# Altium PCB PCB1.PcbDoc (part 1 of 2) (continued)
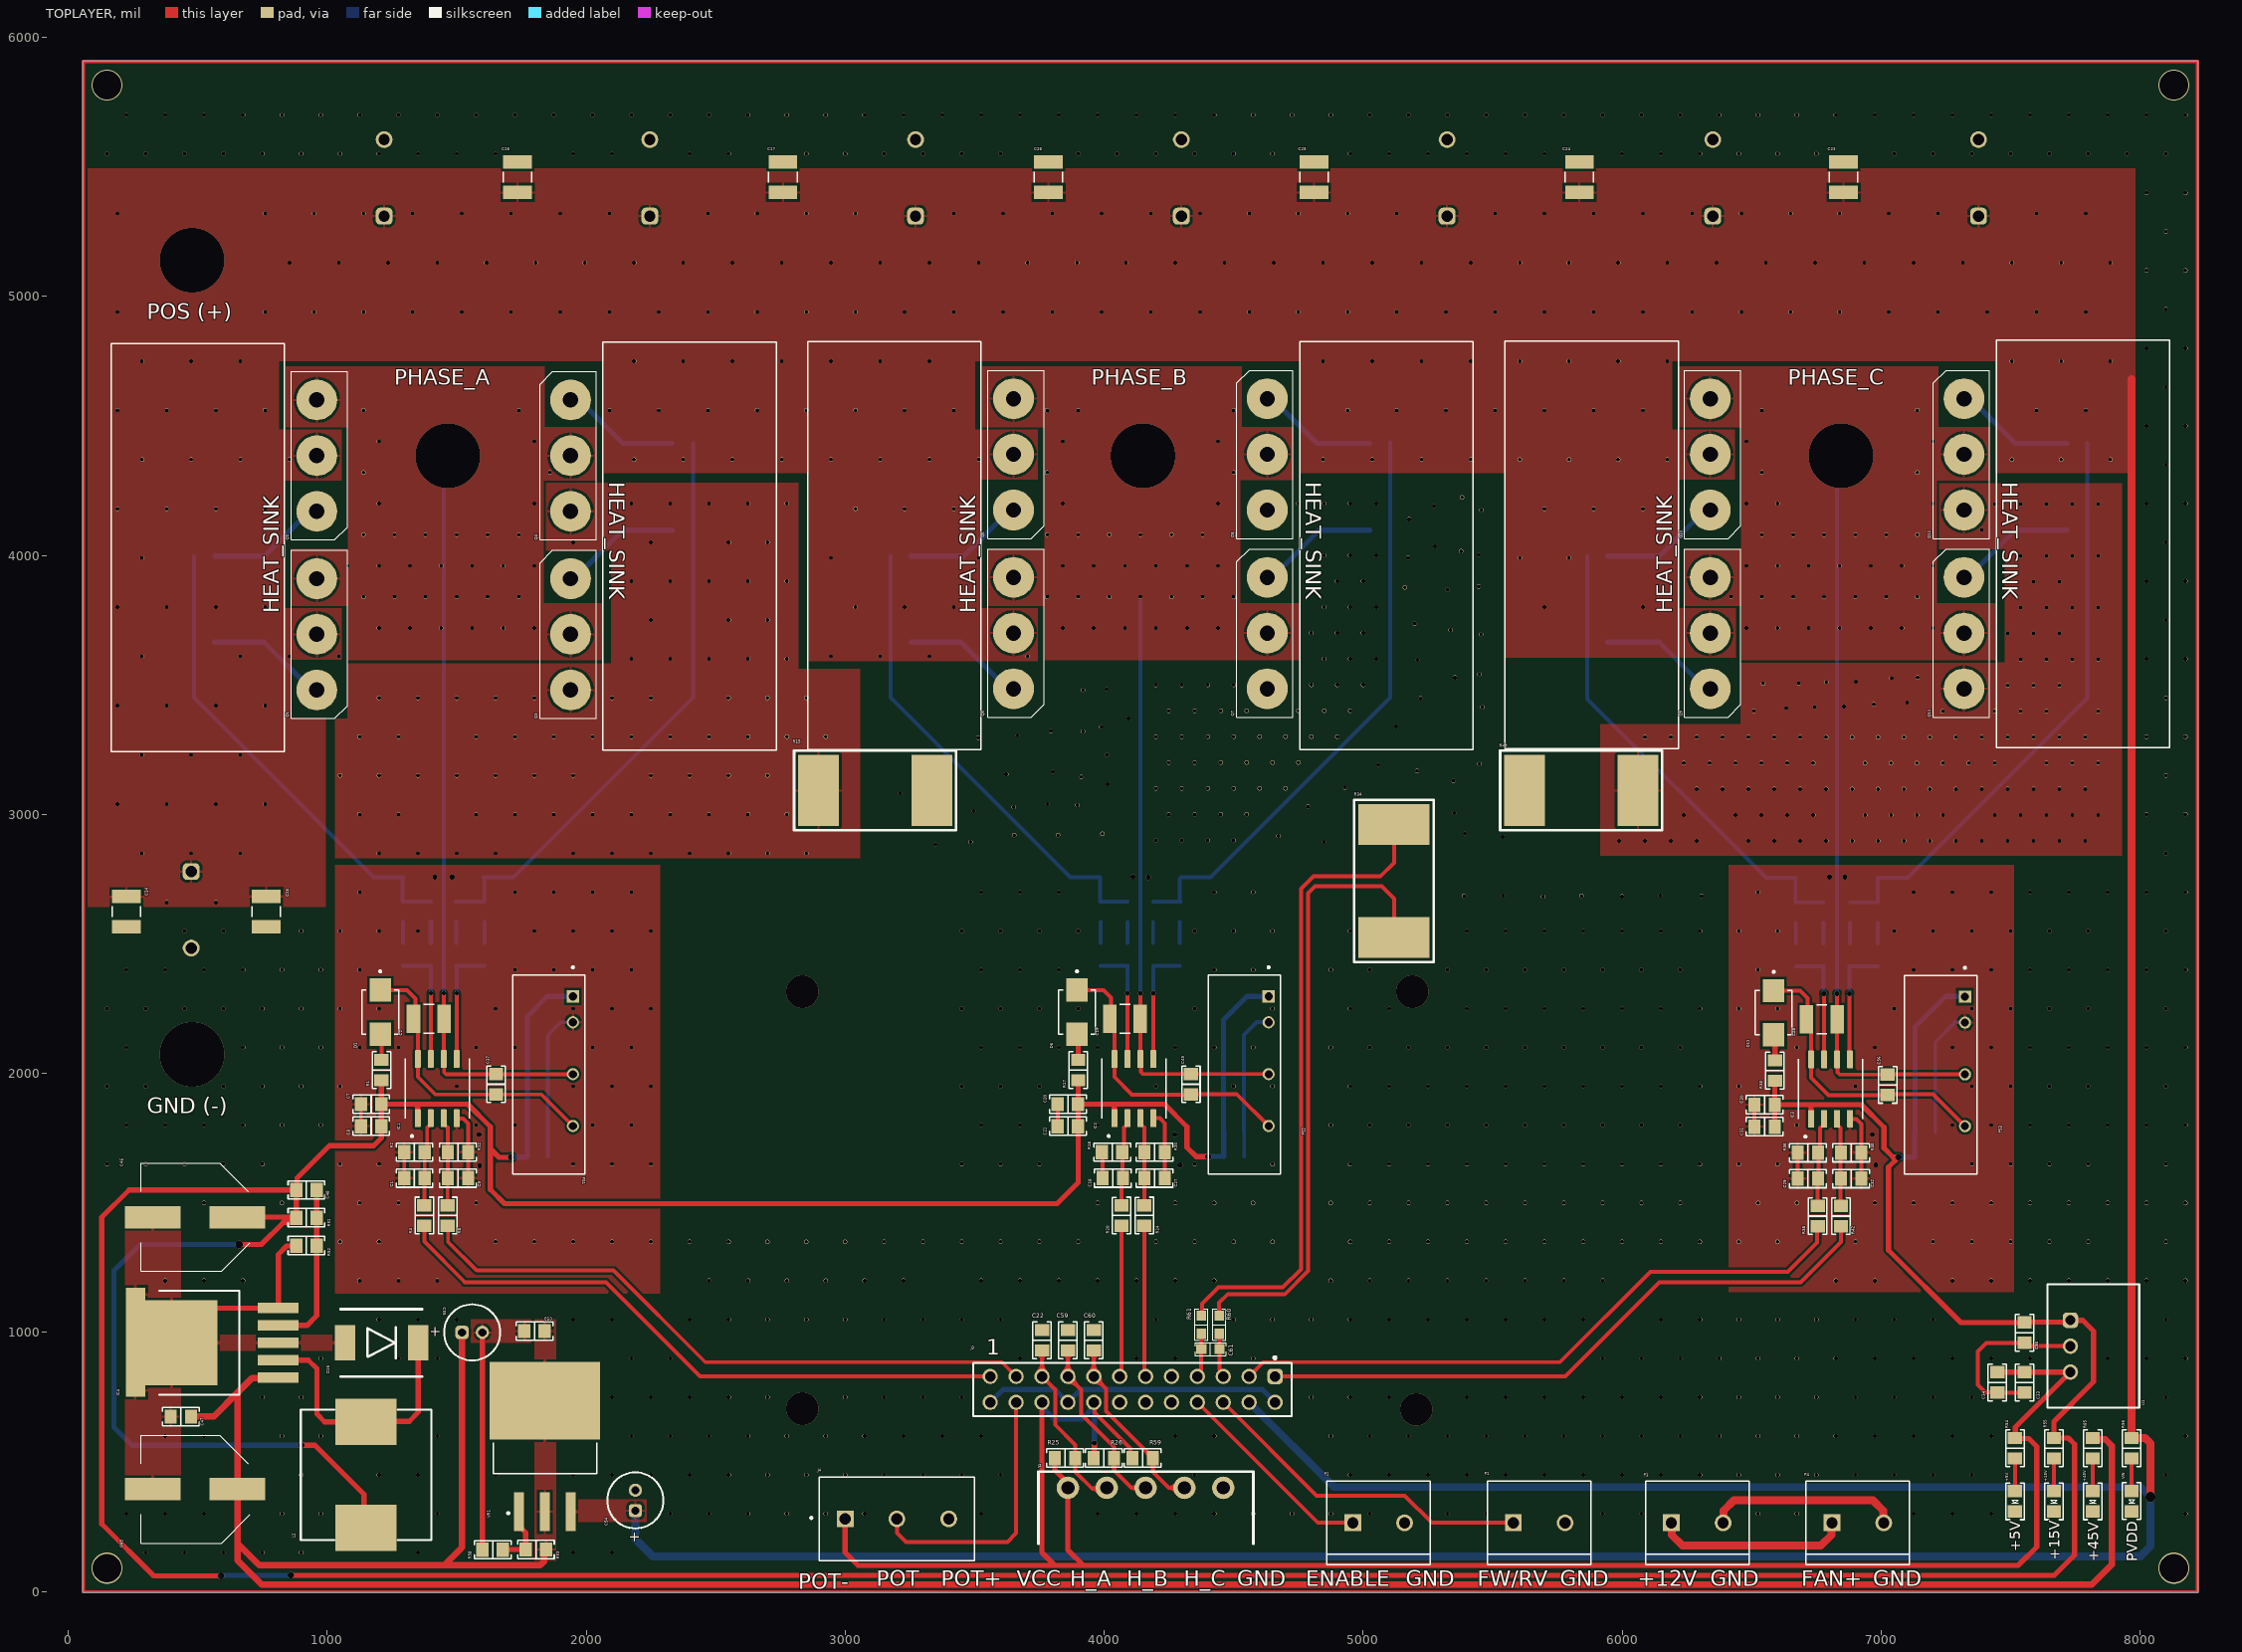
[diagram p0: TOPLAYER view]
## Components (designator, comment, footprint, x,y, rotation, side; value= is the part's Value field where it differs from the comment)
+5V "Green" 0805LED 7517,348 r270 top
+15V "Green" 0805LED 7667,348 r270 top
+45V "Green" 0805LED 7817,348 r270 top
C1 "16nF 35V" 0805_CAP 1337,1596 r180 top
C2 "1210YD106KAT2A" CAPC3225X279N 1392,2211 r180 top
C3 "470µF 100V" WCAP-ATUL_D18H31.5 1220,5457.36 r270 bottom
C4 "470µF 100V" WCAP-ATUL_D18H31.5 2246,5457.36 r270 bottom
C5 "470µF 100V" WCAP-ATUL_D18H31.5 3272,5457.36 r270 bottom
C6 "470µF 100V" WCAP-ATUL_D18H31.5 4298,5457.36 r270 bottom
C7 "100nF 35V" 0805_CAP 1170,1881 r0 top
C8 "10uF" 0805_CAP 1170,1796.04 r0 top value="1uF 35V"
C9 "16nF 35V" 0805_CAP 1505,1596 r180 top
C10 "470µF 100V" WCAP-ATUL_D18H31.5 5324,5457.36 r270 bottom
C11 "470µF 100V" WCAP-ATUL_D18H31.5 6350,5457.36 r270 bottom
C12 "470µF 100V" WCAP-ATUL_D18H31.5 7376,5457.36 r270 bottom
C13 "470µF 100V" WCAP-ATUL_D18H31.5 475,2631.64 r90 bottom
C14 "0.1uF" CAPC3225X279N 225,2624 r90 top
C15 "0.1uF" CAPC3225X279N 765,2625 r90 top
C16 "2.2uF" CAPC3225X279N 1735,5460 r270 top
C17 "2.2uF" CAPC3225X279N 2760,5460 r270 top
C18 "16nF 35V" 0805_CAP 4033,1596 r180 top
C19 "1210YD106KAT2A" CAPC3225X279N 4081,2211 r180 top
C20 "10uF" 0805_CAP 3860,1881 r0 top value="1uF 35V"
C21 "100nF 35V" 0805_CAP 3860,1796.04 r0 top
C22 "100nF 16V" 0805_CAP 3760,970 r90 top
C23 "2.2uF" CAPC3225X279N 6855,5460 r270 top
C24 "2.2uF" CAPC3225X279N 5835,5460 r270 top
C25 "2.2uF" CAPC3225X279N 4810,5460 r270 top
C26 "2.2uF" CAPC3225X279N 3785,5460 r270 top
C27 "16nF 35V" 0805_CAP 4195,1596 r180 top
C28 "1210YD106KAT2A" CAPC3225X279N 6771,2209 r180 top
C29 "16nF 35V" 0805_CAP 6717,1594 r180 top
C30 "100nF 35V" 0805_CAP 6550,1879 r0 top
C31 "10uF" 0805_CAP 6550,1794.04 r0 top value="1uF 35V"
C32 "16nF 35V" 0805_CAP 6884,1594 r180 top
C33 "10uF 16V" 0805_CAP 7554,807 r90 top
C34 "1uF 16V" 0805_CAP 7449,807 r90 top
C36 "100nF 16V" 0805_CAP 7554,999 r90 top
C37 "2.2uF / 25V" 0805_CAP 1652,1958 r270 top value="100nF 25V"
C38 "4.7uF / 25V" 0805_CAP 1813,1679 r180 bottom value="100nF 25V"
C39 "4.7uF / 25V" 0805_CAP 1812,1774 r180 bottom value="100nF 25V"
C45 "220uF 50V" CAPAE1030X1060N 490,395 r180 top
C46 "220uF 50V" CAPAE1030X1060N 490,1445 r180 top
C47 "100nF 25V" 0805_CAP 435,675 r0 top
C48 "680pF 25V" 0805_CAP 920,1550 r180 top
C49 "2.2uF / 25V" 0805_CAP 4335,1958 r270 top value="100nF 25V"
C50 "4.7uF / 25V" 0805_CAP 4501.03,1679.28 r180 bottom value="100nF 25V"
C51 "4.7uF / 25V" 0805_CAP 4501.03,1774.28 r180 bottom value="100nF 25V"
C53 "100nF 25V" 0805_CAP 1800.63,1005 r0 top
C54 "10µF 63V" WCAP-ATG5_D5H11 2190,351.37 r270 top
C55 "10µF 63V" WCAP-ATG5_D5H11 1560,1000 r180 top
C56 "2.2uF / 25V" 0805_CAP 7025,1956 r270 top value="100nF 25V"
C57 "4.7uF / 25V" 0805_CAP 7169,1679 r180 bottom value="100nF 25V"
C58 "4.7uF / 25V" 0805_CAP 7169.03,1773.57 r180 bottom value="100nF 25V"
C59 "100nF 16V" 0805_CAP 3860.14,970 r90 top
C60 "100nF 16V" 0805_CAP 3960,969.97 r270 top
C61 "100nF 16V" 0603_CAP 4410,936 r0 top
D1 "RS2M" DIOM4336X265N 1205,2236.24 r270 top
D2 "BAT54" SOD323 1327.1,2386.96 r180 bottom
D3 "SOD-323" SOD323 1365.9,2532.63 r0 bottom
D4 "BAT54" SOD323 1642.1,2386.96 r180 bottom
D5 "SOD-323" SOD323 1464.9,2532.63 r0 bottom
D6 "RS2M" DIOM4336X265N 3895,2236.24 r270 top
D7 "BAT54" SOD323 4021.1,2386.96 r180 bottom
D8 "SOD-323" SOD323 4055.9,2532.63 r0 bottom
D9 "BAT54" SOD323 4325.1,2386.96 r180 bottom
D10 "SOD-323" SOD323 4154.9,2532.63 r0 bottom
D11 "RS2M" DIOM4336X265N 6585,2234.24 r270 top
D12 "BAT54" SOD323 6705.1,2384.96 r180 bottom
D13 "SOD-323" SOD323 6743.9,2530.63 r0 bottom
D14 "BAT54" SOD323 7021.1,2384.96 r180 bottom
D15 "SOD-323" SOD323 6845.9,2530.63 r0 bottom
D16 "SS36-HT" DO-214AB 1210,960 r0 top
IC1 "IRS21867S" IRS21867S 1425,1941.04 r90 top
IC2 "IRS21867S" IRS21867S 4115,1941.04 r90 top
IC3 "IRS21867S" IRS21867S 6805,1939.04 r90 top
IC4 "LM2596HV" TO-263-5 535.8,961.4 r90 top
J2 "5P" TBLOCK5P 3862.63,399.17 r0 top
J3 "61302421821" 61302421821 4110,780 r180 top
J4 "282837-3" TE_282837-3 3200,280 r0 top
L2 "47uH 2A" "BOURNS SRR1280" 1150,450 r270 top
P1 "282837-2" TE_282837-2 5680,265 r0 top
P2 "282837-2" TE_282837-2 5060,265 r0 top
P3 "282837-2" TE_282837-2 6290,265 r0 top
P4 "282837-2" TE_282837-2 6910,265 r0 top
PS1 "TMA_1515S" CONV_TMA_1515S 1949,1996 r270 top
PS2 "TMA_1515S" CONV_TMA_1515S 4635,1996 r270 top
PS3 "TMA_1515S" CONV_TMA_1515S 7324,1994.82 r270 top
Q1 "IXTH200N10T" TO-247 960,3695.08 r90 top
Q2 "IRFP4310ZPbF" TO-247 960,4385.04 r90 top
Q3 "IRFP4310ZPbF" TO-247 1940,3695.08 r270 top
Q4 "IRFP4310ZPbF" TO-247 1940,4385.04 r270 top
Q5 "IXTH200N10T" TO-247 3650,3700.04 r90 top
Q6 "IRFP4310ZPbF" TO-247 3650,4390 r90 top
Q7 "IRFP4310ZPbF" TO-247 4630,3700.04 r270 top
Q8 "IRFP4310ZPbF" TO-247 4630,4390 r270 top
Q9 "IXTH200N10T" TO-247 6340,3700.04 r90 top
Q10 "IRFP4310ZPbF" TO-247 6340,4390 r90 top
Q11 "IRFP4310ZPbF" TO-247 7320,3700.04 r270 top
Q12 "IRFP4310ZPbF" TO-247 7320,4390 r270 top
R1 "1k Ohms" 0805_RES 1210,2013 r90 top
R2 "1k Ohms" 0805_RES 1337,1696 r180 top
R3 "10R Ohms" 0805_RES 1291,2623.03 r90 bottom
R4 "1k Ohms" 0805_RES 1375,1451.04 r270 top
R5 "22R Ohms" 0805_RES 524,3665 r0 bottom
R6 "22R Ohms" 0805_RES 524,3997 r0 bottom
R7 "10R Ohms" 0805_RES 1401,2623 r270 bottom value="1k Ohms"
R8 "1k Ohms" 0805_RES 1465,1451.04 r270 top
R9 "1k Ohms" 0805_RES 1330,2757 r0 bottom
R10 "22R Ohms" 0805_RES 2372,4097 r180 bottom
R11 "22R Ohms" 0805_RES 2372,4432 r180 bottom
R12 "1k Ohms" 0805_RES 1505,1696 r180 top
R13 "10R Ohms" 0805_RES 1607,2623 r270 bottom
R14 "10R Ohms" 0805_RES 1497,2623 r270 bottom value="1k Ohms"
R15 "2mR 6W" 3920 3114,3092 r0 top
R16 "1k Ohms" 0805_RES 1567,2756 r180 bottom
R17 "1k Ohms" 0805_RES 3900,2013 r90 top
R18 "1k Ohms" 0805_RES 4031,1696 r180 top
R19 "10R Ohms" 0805_RES 3986,2623.03 r90 bottom
R20 "1k Ohms" 0805_RES 4067,1451 r270 top
R21 "22R Ohms" 0805_RES 3215,3665 r0 bottom
R22 "22R Ohms" 0805_RES 3215,3997 r0 bottom
R23 "10R Ohms" 0805_RES 4091,2623 r270 bottom value="1k Ohms"
R24 "1k Ohms" 0805_RES 4155,1451 r270 top
R25 "10K Ohms" 0805_RES 3849,515 r180 top value="1k Ohms"
R26 "10K Ohms" 0805_RES 3999,515 r180 top value="1k Ohms"
R27 "1k Ohms" 0805_RES 4023,2756 r0 bottom
R28 "22R Ohms" 0805_RES 5066,4097 r180 bottom
R29 "22R Ohms" 0805_RES 5066,4432 r180 bottom
R30 "1k Ohms" 0805_RES 4195,1696 r180 top
R31 "10R Ohms" 0805_RES 4291,2623 r270 bottom
R32 "10R Ohms" 0805_RES 4189,2623 r270 bottom value="1k Ohms"
R33 "1k Ohms" 0805_RES 4252,2755 r180 bottom
R34 "2mR 6W" 3920 5119,2745 r270 top
R35 "1k Ohms" 0805_RES 6590,2011 r90 top
R36 "1k Ohms" 0805_RES 6717,1694 r180 top
R37 "10R Ohms" 0805_RES 6669,2621.03 r90 bottom
R38 "1k Ohms" 0805_RES 6755,1449 r270 top
R39 "22R Ohms" 0805_RES 5905,3665 r0 bottom
R40 "22R Ohms" 0805_RES 5905,3997 r0 bottom
R41 "10R Ohms" 0805_RES 6778,2621 r270 bottom value="1k Ohms"
R42 "1k Ohms" 0805_RES 6845,1449 r270 top
R43 "1k Ohms" 0805_RES 6709,2754 r0 bottom
R44 "22R Ohms" 0805_RES 7756,4097 r180 bottom
R45 "22R Ohms" 0805_RES 7756,4432 r180 bottom
R46 "1k Ohms" 0805_RES 6884,1694 r180 top
R47 "10R Ohms" 0805_RES 6987,2621 r270 bottom
R48 "10R Ohms" 0805_RES 6880,2621 r270 bottom value="1k Ohms"
R49 "2mR 6W" 3920 5844,3092 r180 top
R50 "1k Ohms" 0805_RES 6948,2755 r180 bottom
R51 "1k Ohms" 0805_RES 920,1442.64 r180 top value="11k Ohms"
R52 "11k Ohms" 0805_RES 920.03,1335 r0 top value="1k Ohms"
R53 "1k Ohms" 0805_RES 1806,162 r180 top
R54 "2k2 Ohms" 0805_RES 7517,553 r270 top
R55 "10K Ohms" 0805_RES 7667,553 r270 top
R56 "22K Ohms" 0805_RES 7967,553 r270 top
R58 "35k Ohms" 0805_RES 1639,161 r180 top
R59 "10K Ohms" 0805_RES 4149,515 r180 top value="1k Ohms"
R60 "100 Ohms" 0603_RES 4444,1030 r90 top value="82 Ohms"
R61 "100 Ohms" 0603_RES 4375,1030 r90 top value="82 Ohms"
R85 "20K Ohms" 0805_RES 7817,553 r270 top
U1 "8-28Vin, 5Vout, 1Aout" WPME-FDSM_SIP-3_L11.6W8.5H10.5 7819.5,947 r270 top
VIN "Green" 0805LED 7967,348.63 r270 top
VR1 "TL783" TL783 1741,307.65 r0 top

## Footprints (in the part's own frame and the unit in brackets; to place one, negate y for a bottom-side part, rotate by r counter-clockwise, add the part's x,y. Pads: shape width x height; smd on the part's side, far side on the other; paste and mask are expansions set on the pad)
0603_CAP [mm]
  rect 1x0.95 smd mask+0.08: 1(-0.889,0) 2(0.889,0)
  silkscreen extent -1.52,-0.64 1.52,0.64, body extent -0.8,-0.4 0.8,0.4, height 0.96
0603_RES [mm]
  rect 1x0.95 smd mask+0.08: 1(-0.889,0) 2(0.889,0)
  silkscreen extent -1.52,-0.64 1.52,0.64, body extent -0.85,-0.4 0.85,0.4, height 0.56
0805_CAP [mm]
  rect 1.2x1.4 smd: 1(-1,0) 2(1,0)
  silkscreen extent -1.8,-0.9 1.8,0.9, body extent -1,-0.62 1,0.63, height 0.6
0805_RES [mm]
  rect 1.2x1.4 smd: 1(-1,0) 2(1,0)
  silkscreen extent -1.8,-0.9 1.8,0.9, body extent -1,-0.62 1,0.63, height 0.6
0805LED [mm]
  rect 1.2x1.4 smd: 1(-1,0) 2(1,0)
  silkscreen extent -1.8,-0.9 1.8,0.9, body extent -1.01,-0.62 1.01,0.63, height 1.1
3920 [mm]
  rrect1% 4x7 smd: 1(-5.5,0) 2(5.6,0)
  silkscreen extent -7.9,-3.9 8,3.9, body extent -5.32,-2.75 5.6,2.77, height 2.03
61302421821 [mm] "Socket Header, Pitch 2.54 mm, THT, Vertical, dual row, 24p"
  rrect50% 1.5x1.5 hole 1.02: 1(-13.97,-1.27)
  round 1.5 hole 1.02: 2(-13.97,1.27) 3(-11.43,-1.27) 4(-11.43,1.27) 5(-8.89,-1.27) 6(-8.89,1.27) 7(-6.35,-1.27) 8(-6.35,1.27) 9(-3.81,-1.27) 10(-3.81,1.27) 11(-1.27,-1.27) 12(-1.27,1.27) 13(1.27,-1.27) 14(1.27,1.27) 15(3.81,-1.27) 16(3.81,1.27) 17(6.35,-1.27) 18(6.35,1.27) 19(8.89,-1.27) 20(8.89,1.27) 21(11.43,-1.27) 22(11.43,1.27) 23(13.97,-1.27) 24(13.97,1.27)
  silkscreen extent -15.62,-3.22 15.62,2.62, body extent -15.49,-2.54 15.49,2.54, height 8.45
"BOURNS SRR1280" [mm]
  rect 4.5x6 smd: 1(-5.2,0) 2(5.2,0)
  silkscreen extent -6.4,-6.4 6.4,6.4, body extent -6.25,-6.25 6.25,6.25, height 7.9
CAPAE1030X1060N [mm]
  rect 5.5x2.2 smd: 1(-4.15,0) 2(4.15,0)
  silkscreen extent -5.4,-5.3 5.3,5.3, body extent -5.6,-5.25 5.6,5.25, height 10.6
CAPC3225X279N [mm]
  rect 1.32x2.81 smd: 1(-1.492,0) 2(1.492,0)
  silkscreen extent -0.51,-1.4 0.51,1.4
CONV_TMA_1515S [mm]
  rect 1.19x1.19 / inner round 1.19 / far side rect 1.19x1.19 hole 0.79: 1(-7.65,0)
  round 1.19 hole 0.79: 2(-5.11,0) 4(-0.03,0) 6(5.05,0)
  silkscreen extent -10.6,-5.93 9.75,1.17
DIOM4336X265N [mm]
  rect 2.28x2.12 smd: A(2.165,0) C(-2.165,0)
  silkscreen extent -4.1,-1.81 2.16,1.81, body extent -2.68,-1.81 2.68,1.81, height 2.65
DO-214AB [mm]
  rect 2x3.5 smd mask+0.05: 1(-3.6,0) 2(3.6,0)
  silkscreen extent -4,-3.3 4,3.3, body extent -3.95,-2.9 3.95,2.9, height 2.5
IRS21867S [mm]
  rrect25% 1.75x0.57 smd: 1(-2.905,1.905) 2(-2.905,0.635) 3(-2.905,-0.635) 4(-2.905,-1.905) 5(2.905,-1.905) 6(2.905,-0.635) 7(2.905,0.635) 8(2.905,1.905)
  silkscreen extent -4.75,-3.14 2.93,3.14, body extent -3,-2.5 3,2.5, height 1.75
SOD323 [mm]
  rect 0.83x0.625 smd: 1(0.866,2.962) 2(0.866,0.737)
  silkscreen extent 0.07,0.07 1.67,3.63, body extent 0.24,0.49 1.49,3.21, height 1.05
TBLOCK5P [mm]
  round 2.2 hole 1.3 mask+0.05: 1(-0.067,0.021) 2(3.743,0.021) 3(7.553,0.021) 4(11.363,0.021) 5(15.173,0.021)
  silkscreen extent -2.96,-5.48 18.12,1.62, body extent -2.59,-7.92 17.65,1.28, height 7.27
TE_282837-2 [mm]
  rect 1.65x1.65 / inner round 1.65 / far side rect 1.65x1.65 hole 1.1: 1(-2.54,0)
  round 1.65 hole 1.1: 2(2.54,0)
  silkscreen extent -5.08,-4.1 5.08,4.1, body extent -5.68,-4.1 5.08,4.1, height 10
TE_282837-3 [mm]
  rect 1.65x1.65 hole 1.1: 1(-5.08,0)
  round 1.65 hole 1.1: 2(0,0) 3(5.08,0)
  silkscreen extent -8.5,-4.1 7.62,4.1
TL783 [mm]
  rect 0.99x3.79 smd: 1(0,0) 2(2.54,0) 3(5.08,0)
  rect 10.84x7.62 smd paste-6: 4(2.54,10.88)
  silkscreen extent -2.54,-0.24 7.62,6.76, body extent -2.54,-0.71 7.62,14.53, height 4.83
TO-247 [mm]
  round 4 hole 1.5: 1(-5.46,0) 2(0,0) 3(5.46,0)
  silkscreen extent -8.25,-3 8.25,2.5, body extent -7.95,-2.8 7.95,2.3, height 27.95
TO-263-5 [mm]
  rect 1.02x4 smd: 1(-3.436,-7.005) 2(-1.736,-7.005) 3(-0.036,-7.005) 4(1.664,-7.005) 5(3.364,-7.005)
  rect 1.235x1.91 smd: 3(-4.735,7.005) 3(4.735,6.993)
  rect 8.33x9 smd: 3(-0.036,3.456)
  silkscreen extent -5.12,-3.18 5.04,4.7, body extent -5.12,-7.78 5.04,6.57, height 4.72
WCAP-ATG5_D5H11 [mm] "Aluminum Electrolytic Capacitors, 5x11mm"
  rrect50% 1.3x1.3 hole 0.8: 1(1,0)
  round 1.3 hole 0.8: 2(-1,0)
  silkscreen extent -2.75,-2.75 2.75,2.75, body extent -2.49,-2.5 2.5,2.5, height 11.31
WCAP-ATUL_D18H31.5 [mm] "Aluminum Electrolytic Capacitors, 18x31.5mm"
  rrect50% 1.65x1.65 hole 1.1: 1(3.75,0)
  round 1.65 hole 1.1: 2(-3.75,0)
  silkscreen extent -9.25,-9.25 9.25,9.25, body extent -8.99,-9 9,8.99, height 31.81
WPME-FDSM_SIP-3_L11.6W8.5H10.5 [mm] "Fixed Step Down Regulator Module, SIP-3, body 11.60x8.50mm"
  rrect50% 1.5x1.5 hole 1: 1(-2.54,-2.25)
  round 1.5 hole 1: 2(0,-2.25) 3(2.54,-2.25)
  silkscreen extent -6.05,-4.5 6.05,4.5, body extent -5.8,-4.26 5.8,4.25, height 10.55

## Part data
+5V +15V +45V VIN: library part LED, "0805"
C1 C7 C8 C9 C18 C20 C21 C22 C27 C29 C30 C31 C32 C33 C34 C36 C37 C38 C39 C47 C48 C49 C50 C51 C53 C56 C57 C58 C59 C60: library part CAP_0805
C2 C19 C28: "Cap Ceramic 10uF 16V X5R 10% SMD 1210 85Â°C Embossed T/R", Package=None, Availability=Unavailable, MP=1210YD106KAT2A, Price=None
C3 C4 C5 C6 C10 C11 C12 C13: library part 860040881012, "WCAP-ATUL Aluminum Electrolytic Capacitor, Radial, THT, D18 x H31.5mm, 470µF, 100V", Capacitance Tolerance=20%, Leakage Current=470µA, Manufacturer="Wurth Elektronik", Operating Temperature Max=105°C, Operating Temperature Min=-40°C, Rated Voltage (DC)=100V, Ripple Current=1600mA, Capacitance="470µF 100V", Category="Aluminum Electrolytic Capacitors", ComponentLink1Description="Website Link", ComponentLink1URL=https://www.we-online.com/redexpert/article/860040881012?ad, ComponentLink2Description="Datasheet Link", ComponentLink2URL=https://www.we-online.com/redexpert/spec/860040881012?ad, Diameter=18mm, Dissipation Factor=9%, Endurance=10000h, Height=31.5mm, Manufacturer Part Number=860040881012, Match Code=WCAP-ATUL, Mount="Through Hole", Packaging="Ammo Pack", Technical Reference=ATDL315471M100DSPAEK000
C14 C15 C16 C17 C23 C24 C25 C26: library part 1210YD106KAT2A, "Cap Ceramic 10uF 16V X5R 10% SMD 1210 85Â°C Embossed T/R", Package=None, Availability=Unavailable, MP=1210YD106KAT2A, Price=None
C45 C46: library part CK1H221M-CRG10, "Capacitor Polarised", Manufacturer_Name=SEMTECH, Datasheet Link=https://datasheet.lcsc.com/szlcsc/1810281207_ST-Semtech-CK1H221M-CRG10_C131159.pdf, Height=10.6mm, Manufacturer_Part_Number=CK1H221M-CRG10
C54 C55: library part 860020772010, "WCAP-ATG5 Aluminum Electrolytic Capacitor, Radial, THT, D5 x H11mm, 10µF, 63V", Capacitance Tolerance=+/-20%, Leakage Current=6.3µA, Manufacturer="Wurth Elektronik", Operating Temperature Max=105°C, Operating Temperature Min=-40°C, Rated Voltage (DC)=63V, Ripple Current=42mA, Capacitance="10µF 63V", Category="Aluminum Electrolytic Capacitors", ComponentLink1Description="Website Link", ComponentLink1URL=https://www.we-online.com/redexpert/article/860020772010?ad, ComponentLink2Description="Datasheet Link", ComponentLink2URL=https://www.we-online.com/redexpert/spec/860020772010?ad, Diameter=5mm, Dissipation Factor=9%, Endurance=2000h, Height=11mm, Manufacturer Part Number=860020772010, Match Code=WCAP-ATG5, Mount="Through Hole", Packaging="Ammo Pack", Technical Reference=ATDC110100M063DSPA3B000
C61: library part CAP_0603, "CL10B105KO8NNNC - MLCC (1608) 0603 1uF 16VDC ±10% X7R"
D1 D6 D11: "2A, 50V - 1000V Fast Recovery Surface Mount Rectifier", Package="DO-214AA-2 Taiwan Semiconductor", Availability="In Stock", Check_prices=https://www.snapeda.com/parts/RS2M/Taiwan+Semiconductor/view-part/?ref=eda, MF="Taiwan Semiconductor", MP=RS2M, Price=None, SnapEDA_Link=https://www.snapeda.com/parts/RS2M/Taiwan+Semiconductor/view-part/?ref=snap
D2 D3 D4 D5 D7 D8 D9 D10 D12 D13 D14 D15: library part diode/sod323
D16: library part SS36-214AB-HT, "Schottky Diode", ComponentLink1Description=Özdisan, ComponentLink1URL=https://ozdisan.com/guc-yari-iletkenleri/diyotlar-modul-diyotlar-ve-dogrultucular/schottky-diyotlar/SS36-214AB-HT/475999, ComponentLink2Description=Datasheet, ComponentLink2URL=https://cdn.ozdisan.com/ETicaret_Dosya/475999_7494647.pdf, PartNumber=SS36-HT
IC4: "Integrated Circuit", Arrow Part Number=LM2596S-12, Manufacturer_Name="Texas Instruments", Mouser Part Number=926-LM2596S-12, Arrow Price/Stock=https://www.arrow.com/en/products/lm2596s-12/texas-instruments, Datasheet Link=http://www.ti.com/lit/ds/symlink/lm2596.pdf, Mouser Price/Stock=https://www.mouser.co.uk/ProductDetail/Texas-Instruments/LM2596S-12?qs=X1J7HmVL2ZEK1FPBBSYJCA%3D%3D, PartValue=LM2596HV
J2: library part TBLOCK5P
J3: "WR-PHD Socket Header, THT, Vertical, pitch 2.54mm, 2 Row, 24P", Contact Resistance=20mOhm, Manufacturer="Wurth Elektronik", Operating Temperature Max=125°C, Operating Temperature Min=-40°C, Rated Current=3A, Withstanding Voltage=500V, Working Voltage=250V, Category="Board-to-Board Connectors", ComponentLink1Description="Website Link", ComponentLink1URL=https://www.we-online.com/redexpert/article/61302421821?ad, ComponentLink2Description="Datasheet Link", ComponentLink2URL=https://www.we-online.com/redexpert/spec/61302421821?ad, Gender="Socket Header", Manufacturer Part Number=61302421821, Match Code=WR-PHD, Mount="Through Hole", Number of Pins=24, Number of Rows=2, Orientation=Vertical, Packaging=Tray, Pitch=2.54mm
J4: "TERMI-BLOK PCB MOUNT 3P", Package=None, Availability=Unavailable, MP=282837-3, Price=None
L2: library part Inductor, "FIXED IND 47UH 2.9A 80 MOHM SMD"
P1 P2 P3 P4: "Ð Ð°Ð·ÑŠÐµÐ¼Ð½Ñ‹Ðµ ÐºÐ»ÐµÐ¼Ð¼Ð½Ñ‹Ðµ ÐºÐ¾Ð»Ð¾Ð´ÐºÐ¸ Ð Ð¾Ð·ÐµÑ‚ÐºÐ° 2 Ð¿Ð¾Ð»Ð¾Ð¶ÐµÐ½Ð¸Ñ 5,08 Ð¼Ð¼ ÐŸÑ€Ð¸Ð¿Ð¾Ð¹ Ð¿Ñ€ÑÐ¼Ð¾Ð¹ Ñ‡ÐµÑ€ÐµÐ· Ð¾Ñ‚Ð²ÐµÑ€ÑÑ‚Ð¸Ðµ 13,5 Ð / ÐºÐ¾Ð½Ñ‚Ð°ÐºÑ‚", Package=None, Availability="In Stock", Check_prices=https://www.snapeda.com/parts/282837-2/TE+Connectivity+AMP+Connectors/view-part/?ref=eda, MF="TE Connectivity", MP=282837-2, Price=None, Purchase-URL=https://pricing.snapeda.com/search/part/282837-2/?ref=eda, SnapEDA_Link=https://www.snapeda.com/parts/282837-2/TE+Connectivity+AMP+Connectors/view-part/?ref=snap
PS1 PS2 PS3: Package=None, Availability=Unavailable, MF="{'manufacturer': u'Traco Power'}", MP=TMA_1515S, Price=None
Q1 Q5 Q9: library part IRFP4310ZPbF, "IRFP4310ZPBF - MOSFET DIS.120A 100V N-CH TO247AC HEXFET THT", Current Rate=120A, Voltage Rate=100V, ComponentLink1Description=Özdisan, ComponentLink1URL=https://ozdisan.com/Product/Detail/480417/IRFP4310ZPBF, ComponentLink2Description=Datasheet, ComponentLink2URL=https://cdn.ozdisan.com/ETicaret_Dosya/480417_1248700.pdf, PartValue=IXTH200N10T
Q2 Q3 Q4 Q6 Q7 Q8 Q10 Q11 Q12: "IRFP4310ZPBF - MOSFET DIS.120A 100V N-CH TO247AC HEXFET THT", Current Rate=120A, Voltage Rate=100V, ComponentLink1Description=Özdisan, ComponentLink1URL=https://ozdisan.com/Product/Detail/480417/IRFP4310ZPBF, ComponentLink2Description=Datasheet, ComponentLink2URL=https://cdn.ozdisan.com/ETicaret_Dosya/480417_1248700.pdf, PartValue=IRFP4310ZPbF
R1 R2 R3 R4 R5 R6 R7 R8 R9 R10 R11 R12 R13 R14 R16 R17 R18 R19 R20 R21 R22 R23 R24 R25 R26 R27 R28 R29 R30 R31 R32 R33 R35 R36 R37 R38 R39 R40 R41 R42 R43 R44 R45 R46 R47 R48 R50 R51 R52 R53 R54 R55 R56 R58 R59 R85: library part RES_0805, "0805", Power="1/8 W"
R15 R34 R49: library part Shunt, "3920"
R60 R61: library part RES_0603, "0603", Power=1/8W
U1: library part 173010578, "WPME-FDSM Fixed Step Down Regulator Module, THT, SIP-3, 8-28Vin, 5Vout, 1Aout", Case/Size Code=SIP-3, Input Voltage Max=28V, Input Voltage Min=8V, Manufacturer="Wurth Elektronik", Operating Temperature Max=85°C, Operating Temperature Min=-40°C, Output Current=1A, Output Voltage=5V, Category="Step Down Converter", ComponentLink1Description="Website Link", ComponentLink1URL=https://www.we-online.com/redexpert/article/173010578?ad, ComponentLink2Description="Datasheet Link", ComponentLink2URL=https://www.we-online.com/redexpert/spec/173010578?ad, Height=10.5mm, Length=11.6mm, Manufacturer Part Number=173010578, Match Code=WPME-FDSM, Mount="Through Hole", Packaging=Tube, Width=8.5mm
VR1: library part TL783/SMD

## Via types
v1: diameter 16, hole 15, TOPLAYER to BOTTOMLAYER, tented both sides, 1340 vias
v2: diameter 20, hole 20, TOPLAYER to BOTTOMLAYER, tented both sides, 19 vias
v3: diameter 25, hole 25, TOPLAYER to BOTTOMLAYER, tented both sides, 6 vias
v4: diameter 250, hole 250, TOPLAYER to BOTTOMLAYER, 5 vias
v5: diameter 120, hole 110, TOPLAYER to BOTTOMLAYER, tented both sides, 4 vias
v6: diameter 125.98, hole 125.98, TOPLAYER to BOTTOMLAYER, tented both sides, 4 vias
v7: diameter 15, hole 15, TOPLAYER to BOTTOMLAYER, tented both sides, 3 vias
v8: diameter 40, hole 40, TOPLAYER to BOTTOMLAYER, tented both sides, 1 vias
v9: diameter 30, hole 30, TOPLAYER to BOTTOMLAYER, tented both sides, 1 vias

## Nets (pads, with @x,y where several pads share a name; then routed paths per layer and width w, separated by ;. In a path a pad name is that pad's centre, name@x,y a point inside that pad or via, vN(x,y) a via of type N, cw(c..) or ccw(c..) an arc to the next point about the centre after c; other vN are vias at no path point)
+5V: C33.2 C34.2 J2.1 J3.16 J3.20 J4.1 R25.2 R26.2 R54.1 R59.2 U1.3 | length 7726.5
  TOPLAYER w15: J3.16@3960,730 3963.29,726.71 3963.29,689.71 4101.51,551.49 4101.51,535.06 R59.2@4109.75,526.82
  TOPLAYER w20: J4.1@3000,280 3000,150 3050,100 3810,100 ; J3.20@3760,730 3760,150 3810,100 ; R25.2@3809.63,515 3809.63,468.4 3860,418.03 J2.1@3860,400 3860,160 3920,100 ; v2(3962,573) 3962.44,572.56 R26.2@3962.44,528.19 ; C34.2@7449,846.37 C33.2@7554,846.37 7554.31,846.69 U1.3@7730.61,846.69 ; U1.3@7730.92,847 U1.3@7730.61,846.69 ; 3810,100 3920,100 ; 3920,100 7529,100 7601,172 7601,559 7569.84,590.16 7519.21,590.16 R54.1@7517,592.37 7518.2,593.57 7518.2,634.28 U1.3@7730.61,846.69
  BOTTOMLAYER w20: J3.20@3760,730 3760,719.43 3773.09,706.34 3773.09,698.91 3806,666 3915,666 J3.16@3960,711 ; J3.16@3960,730 3962,728 v2(3962,573)
+12V: P3.1 P4.1 | length 745.6
  TOPLAYER w30: P3.1@6190,265 6191.19,263.81 6191.19,218.81 6233,177 6767,177 6808.81,218.81 6808.81,263.81 P4.1@6810,265
+15V: C7.2 C8.2 C20.2 C21.2 C30.2 C31.2 C36.2 C38.2 C39.2 C46.1 C48.2 C50.2 C51.2 C57.2 C58.2 IC1.1 IC2.1 IC3.1 L2.2 PS1.1 PS2.1 PS3.1 R1.1 R17.1 R35.1 R51.2 R55.1 U1.1 | length 23102.7
  TOPLAYER w20: v3(590,60) 331,60 130,261 130,1445 235,1550 C48.2@880.63,1550 ; C46.1@653.39,1445 878.27,1445 R51.2@880.63,1442.64 C48.2@880.63,1550 ; v9(660,1340) 746,1340 831.27,1425.27 854.93,1425.27 866.64,1436.99 R51.2@866.64,1442.64 ; v3(860,62) 7668,62 7747,141 7747,568 7722.84,592.16 7667.21,592.16 R55.1@7667,592.37 7667,656 7820,809 7820,1005 7778.73,1046.27 U1.1@7730.19,1046.27 ; v3(900,564) 953,564 1142.43,374.57 1142.43,252.85 L2.2@1150,245.28 ; R1.1@1209.37,1973 C7.2@1209.37,1881 ; 1341.85,1879.11 1349.22,1871.74 IC1.1@1349.22,1827.45 ; v3(1711,1676) 1664,1676 1630,1710 ; R17.1@3900,1973.63 3899.69,1973.32 3899.69,1881.32 C20.2@3899.37,1881 ; IC2.1@4039.22,1827.45 4039.22,1871.74 ; v3(4401.66,1678.91) 4354.66,1678.91 4319.94,1713.63 4319.94,1794.06 4233,1881 C20.2@3899.37,1881 ; C31.2@6589.37,1794.04 C30.2@6589.37,1879 6589.69,1879.31 6589.69,1971.31 R35.1@6590,1971.63 ; C30.2@6590.37,1879 6720.96,1879 ; IC3.1@6730.22,1825.45 6730.22,1869.74 6720.96,1879 ; C36.2@7554,1038.37 7307.63,1038.37 7028.5,1317.5 7028.5,1638.5 v3(7066,1676) 7065.15,1676.85 7045.72,1676.85 7011,1711.57 7011,1792 6924,1879 6720.96,1879 ; C36.2@7560.63,1040 7723.92,1040 U1.1@7730.19,1046.27 ; U1.1@7730.92,1047 U1.1@7730.19,1046.27 ; C48.2@880.63,1550 883.44,1552.81 883.44,1595.84 1008.6,1721 1180,1721 1209.2,1750.2 1209.2,1795.87 C8.2@1209.37,1796.04 C7.2@1209.37,1881 ; C7.2@1209.37,1881 1543,1881 1630,1794 1630,1710 ; 1630,1710 1630,1552 1685,1497 3818,1497 3899.37,1578.37 C21.2@3899.37,1796.04 C20.2@3899.37,1881
  BOTTOMLAYER w20: v3(590,60) 590.96,60.96 594.49,60.96 595.54,62 v3(860,62) ; v9(660,1340) 278,1340 176.47,1238.47 176.47,633.47 245.93,564 v3(900,564) ; v3(1711,1676) 1711.37,1676.37 1771,1676.37 C38.2@1773.63,1679 1773.13,1679.5 1773.13,1773.5 C39.2@1772.63,1774 1772.63,2220.63 1849.18,2297.18 PS1.1@1949,2297.18 ; v3@4402.03,1679.28 C50.2@4461.66,1679.28 C51.2@4461.66,1774.28 ; C51.2@4461.16,1774.78 4461.16,2207.16 4551.18,2297.18 PS2.1@4635,2297.18 ; v3@7066.37,1676.37 C57.2@7129.63,1676.37 ; C57.2@7129.63,1679 C58.2@7129.64,1773.56 ; C58.2@7131,1770.56 7131,2180.28 7248.17,2297.45 PS3.1@7331.99,2297.45
+45V: C45.1 C47.2 C53.2 C55.1 IC4.1 R53.1 R85.1 VR1.2 VR1.4 | length 11101.3
  TOPLAYER w25: C47.2@474.37,675 561.77,675 653.39,766.61 ; IC4.1@811.59,826.14 809.7,824.25 711.02,824.25 653.39,766.61 ; 1455.3,100.7 1455.3,102.5 1459,106.2 1459,108 1520.63,169.63 C55.1@1520.63,1000 ; R53.1@1845.37,162 1837.64,154.27 1837.64,115.52 1822.99,100.87 738.13,100.87 653.39,185.61 ; R85.1@7817,592.37 7822.39,586.98 7865.82,586.98 7891,561.81 7891,104 7812.49,25.49 748.51,25.49 653.39,120.61 653.39,185.61 ; 653.39,185.61 C45.1@653.39,395 653.39,766.61
AH: R3.2 R5.1 R6.1 R7.1 R9.1 | length 1843.9
  BOTTOMLAYER w15: R6.1@485.63,3996 485.63,3450.37 1179,2757 R9.1@1293.63,2757 ; R3.2@1291,2662.4 1291,2753.37 R9.1@1294.63,2757 ; R3.2@1294,2662.37 R7.1@1401,2662.37
AL: R10.1 R11.1 R13.1 R14.1 R16.1 | length 2279
  BOTTOMLAYER w15: R14.1@1497,2662.37 R13.1@1604,2662.37 ; R16.1@1603.37,2756 1607,2752.37 R13.1@1607,2662.37 ; R16.1@1604.37,2757 1719,2757 2412.37,3450.37 2412.37,4097 R11.1@2412.37,4432
BH: R19.2 R21.1 R22.1 R23.1 R27.1 | length 1843.5
  BOTTOMLAYER w15: R22.1@3175.63,3997 R21.1@3175.63,3665 3175.63,3450.37 3869,2757 R27.1@3983.63,2757 ; R27.1@3984,2757 3984,2662.37 R23.1@4091,2662.37
BL: R28.1 R29.1 R31.1 R32.1 R33.1 | length 2289.9
  BOTTOMLAYER w15: R32.1@4189,2662.37 R31.1@4296,2662.37 ; R31.1@4291,2662.37 4291,2750.63 R33.1@4295.37,2755 ; R33.1@4296.37,2757 4411,2757 5104.37,3450.37 R28.1@5104.37,4106 ; R28.1@5104.37,4099 R29.1@5104.37,4436.63
CH: R37.2 R39.1 R40.1 R41.1 R43.1 | length 1843.9
  BOTTOMLAYER w15: R40.1@5865.63,3997 5865.63,3445.37 6556,2755 R43.1@6670.63,2755 ; R37.2@6669,2660.4 6669,2752.37 R43.1@6670.63,2754 ; R37.2@6671,2660.37 R41.1@6778,2660.37
CL: R44.1 R45.1 R47.1 R48.1 R50.1 | length 2290.1
  BOTTOMLAYER w15: R48.1@6880,2660.37 R47.1@6987,2660.37 R50.1@6987,2755 ; R50.1@6987.37,2755 7102,2755 7795.37,3448.37 R44.1@7795.37,4104 ; R44.1@7795.37,4097 R45.1@7795.37,4434.63
"DC/DC 1": C2.2 C37.2 D1.C IC1.8 PS1.6 | length 1135.4
  TOPLAYER w15: D1.C@1205,2321.47 1307.53,2321.47 1341.26,2287.74 C2.2@1341.26,2211 ; C2.2@1335,2211.04 1350,2196.04 IC1.8@1350,2055.41 1350,1986.04 1417.41,1918.63 C37.2@1652,1918.63 1827.55,1918.63 PS1.6@1949,1797.18
"DC/DC 2": C19.2 C49.2 D6.C IC2.8 PS2.6 | length 1125.1
  TOPLAYER w15: D6.C@3895,2321.19 3997.53,2321.19 4026,2292.72 4026,2215.97 C19.2@4031.26,2210.72 ; C19.2@4025,2210.75 4040,2195.75 4040,1985.75 4107.41,1918.35 C49.2@4335,1918.35 ; C49.2@4342,1920.35 4511.84,1920.35 PS2.6@4635,1797.18
"DC/DC 3": C28.2 C56.2 D11.C IC3.8 PS3.6 | length 1145.7
  TOPLAYER w15: D11.C@6585,2319.19 6687.53,2319.19 6716,2290.72 6716,2213.97 C28.2@6721.26,2208.72 ; C28.2@6715,2208.75 6730,2193.75 6730,2053.12 6730,1983.75 6797.41,1916.35 C56.2@7032,1916.35 ; C56.2@7031,1919.16 7200.84,1919.16 PS3.6@7324,1796 ; C56.2@7032,1918.35 C56.2@7041.59,1908.75
ENABLE: J3.8 P2.1 | length 792.6
  TOPLAYER w15: J3.8@4360,730 4825,265 P2.1@4960,265
FWD/REV: J3.6 P1.1 | length 1312.6
  TOPLAYER w15: J3.6@4460,730 4820,370 5160,370 5265,265 P1.1@5580,265